# Altium PCB PCB_mcbHallV3.PcbDoc (continued)
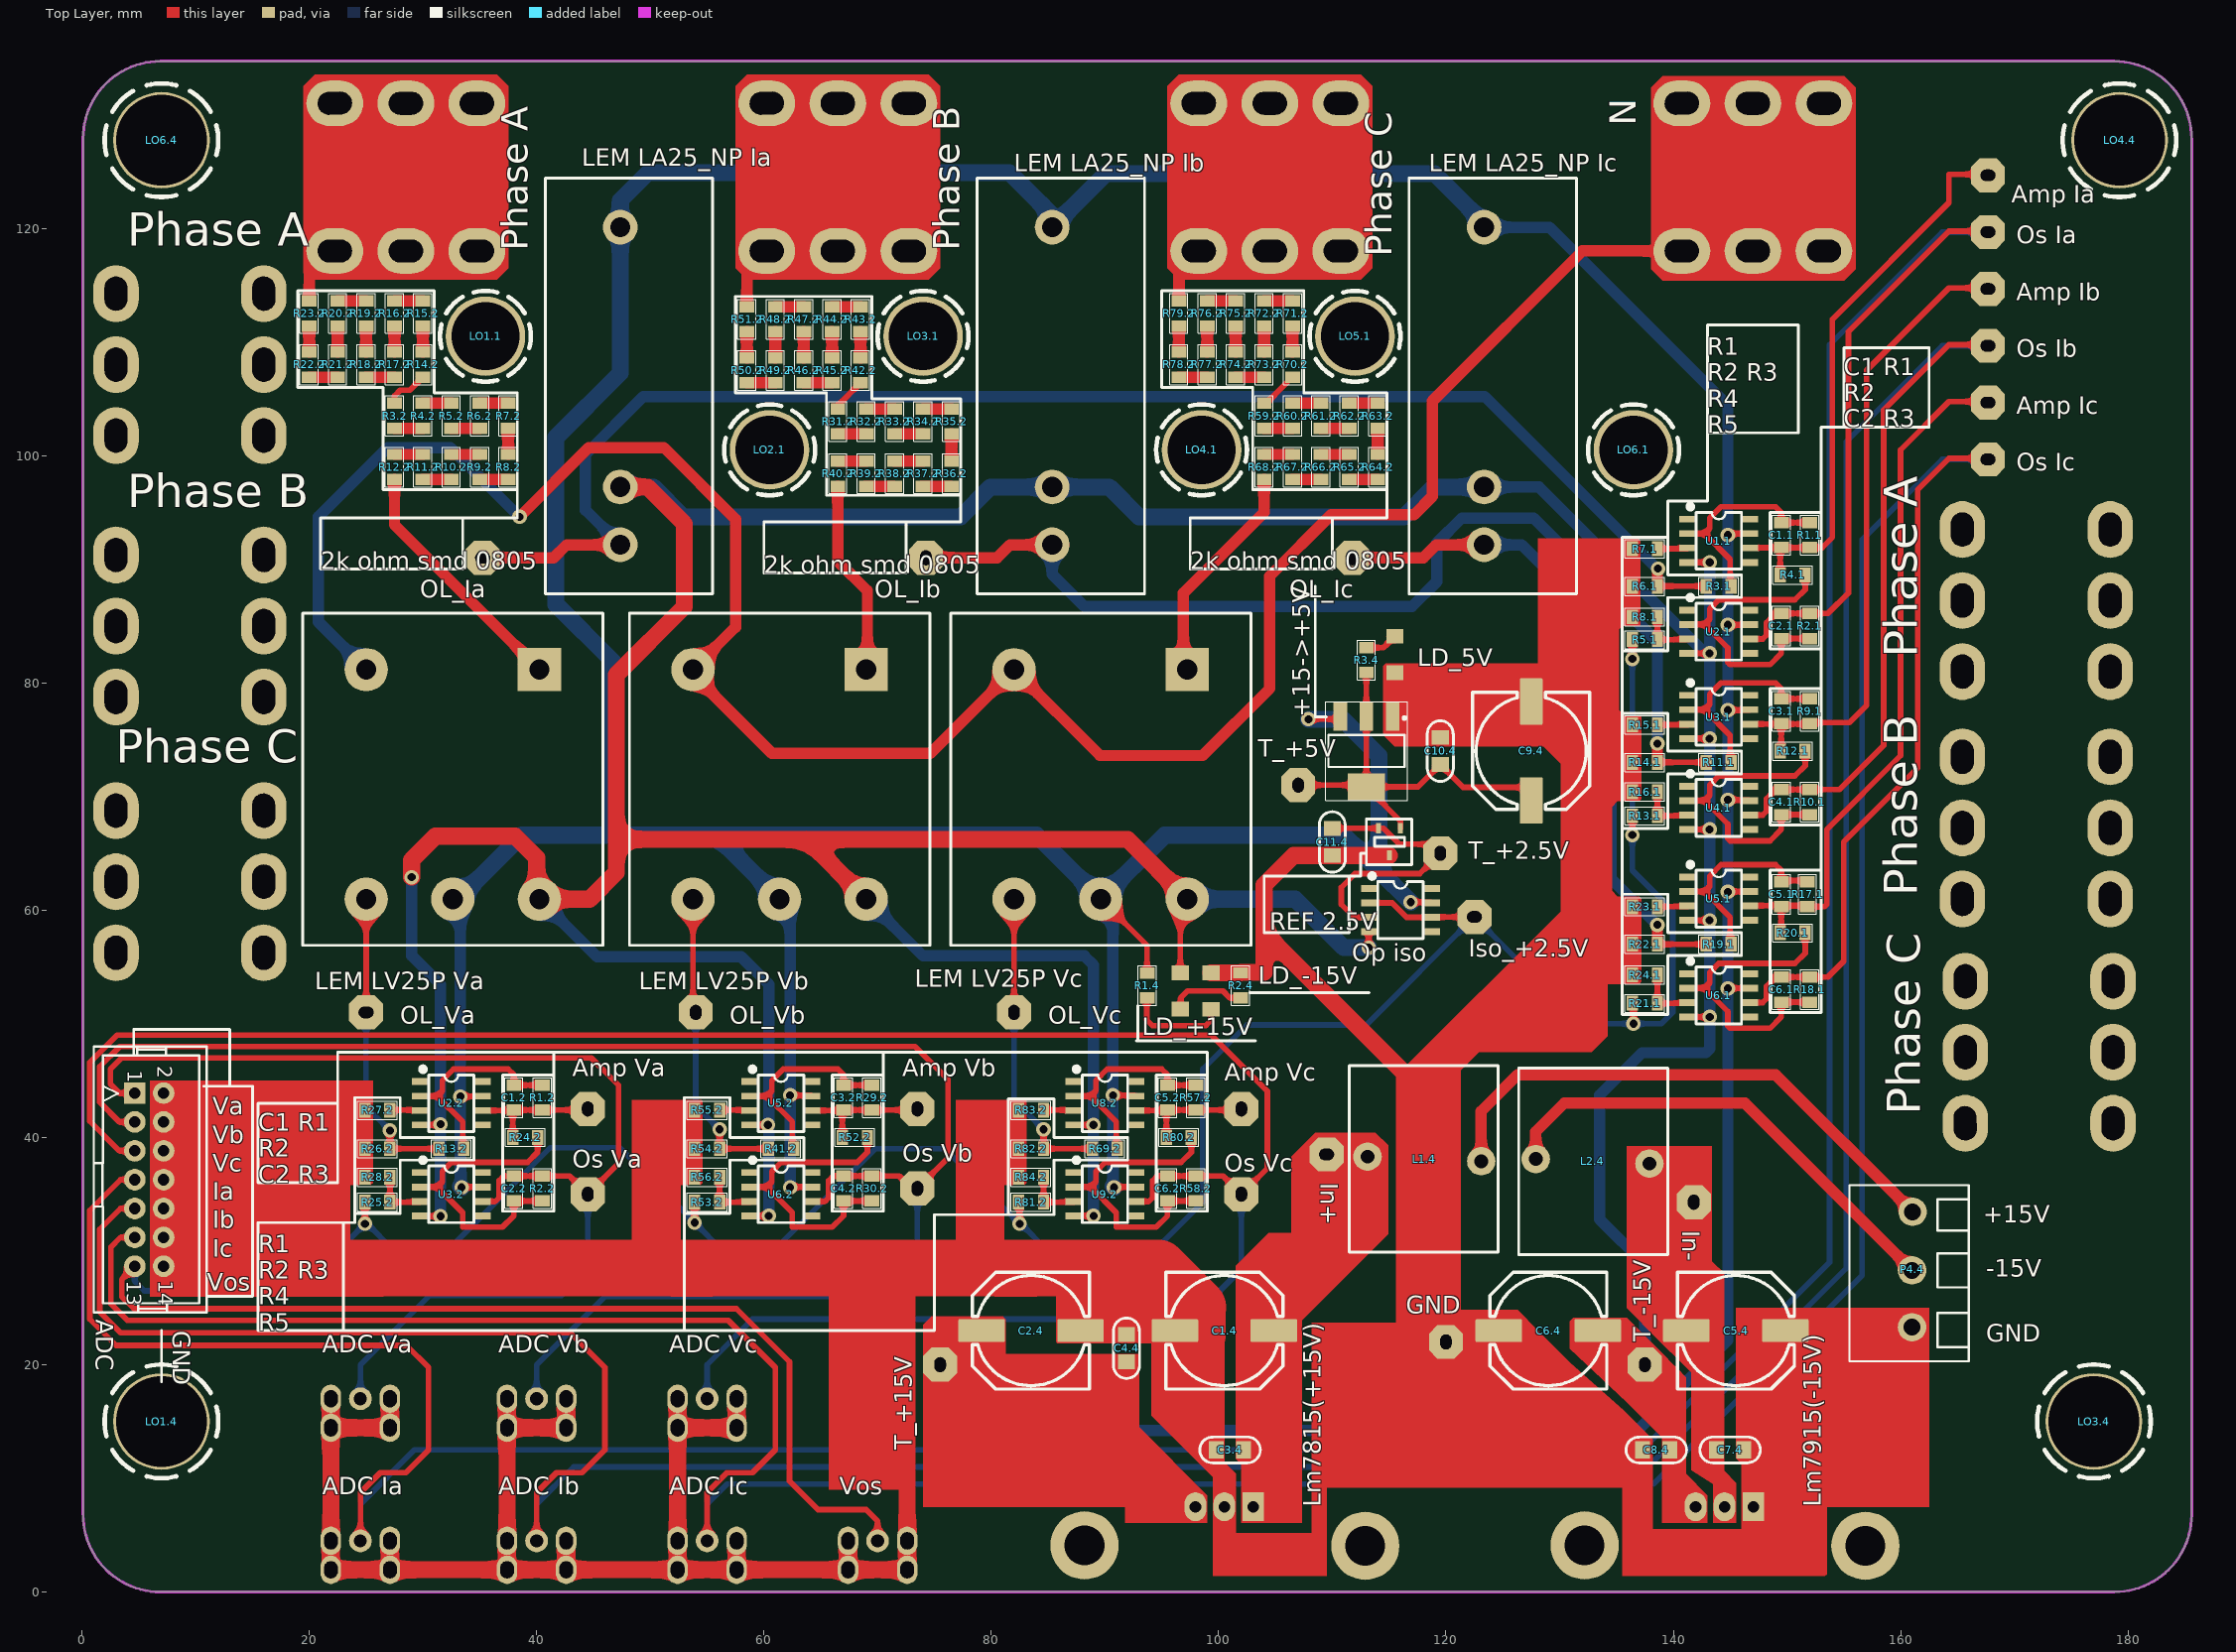
[diagram p0: Top Layer view]
## Footprints (in the part's own frame and the unit in brackets; to place one, negate y for a bottom-side part, rotate by r counter-clockwise, add the part's x,y. Pads: shape width x height; smd on the part's side, far side on the other; paste and mask are expansions set on the pad)
AMS1117 [mm]
  rect 2.5x1.2 smd: 1(-3.027,2.3) 2(-3.027,0) 3(-3.027,-2.3)
  rect 2.4x3.3 smd: 2(3.154,0)
  silkscreen extent -4.35,-3.6 4.35,3.6, body extent -3.39,-3.27 3.5,3.23, height 1.72
C-NP-0805 [mm] "Chip Capacitor; Non-polarized; Body 2.0 x 1.3 mm (LxW typ) [2012]"
  rect 1.3x1.5 smd: 1(-1.194,0) 2(1.194,0)
  silkscreen extent -2.67,-1.14 2.66,1.14, body extent -0.8,-0.43 0.8,0.43, height 0.79
CAP_SMD_L=10.5 [mm]
  rrect10% 4.1x2 smd mask+0.1: 1(-4.35,0) 2(4.35,0)
  silkscreen extent -5.15,-5.15 5.15,5.15, body extent -5.8,-5.15 5.8,5.15, height 10.2
CAPC0805 [mm] "Chip Capacitor, Body 2.0x1.3mm, IPC High Density"
  rect 1x1.3 smd: 1(-1.1,0) 2(1.1,0)
  silkscreen extent -1.75,-0.8 1.75,0.8, body extent -1.19,-0.72 1.21,0.74, height 0.65
domino_3p [mm]
  round 2.5 hole 1.5: 1(-5,0) 2(0,0) 3(5.15,-0.05)
  silkscreen extent -8,-5 7.5,5.5, body extent -8.17,-5 7.67,5.5, height 19.5
hd_2x7 [mm]
  rect 1.905x1.905 hole 1.016: 1(-7.9,-1.1)
  round 1.905 hole 1.016: 2(-7.9,1.44) 3(-5.36,-1.1) 4(-5.36,1.44) 5(-2.82,-1.1) 6(-2.82,1.44) 7(-0.28,-1.1) 8(-0.28,1.44) 9(2.26,-1.1) 10(2.26,1.44) 11(4.8,-1.1) 12(4.8,1.44) 13(7.34,-1.1) 14(7.34,1.44)
  silkscreen extent -12,-4.7 11.4,5.22, body extent -11.09,-4.4 10.49,4.97, height 9.27
induction_coil [mm]
  round 2.5 hole 1.2: 1(-5.1,0.1) 2(4.9,-0.3)
  silkscreen extent -6.6,-8.3 6.5,8.1, body extent -5.6,-8.08 5.4,7.88, height 18.62
"LEM LA25_P" [mil]
  round 120 hole 70: 1(-565,45) 2(-365,45) 3(535,45)
  silkscreen extent -735,-275 705,305, body extent -735,-269 702,299, height 1135
"LEN LV25_P" [mil]
  rect 150x150 hole 70: 1(-400,305)
  round 150 hole 70: 2(-400,-295) 3(395,-295) 4(395,5) 5(395,305)
  silkscreen extent -595,-515 555,525, body extent -545,-505 605,519, height 708
"Lo Khoang - 6mm" [mm] "SCREW mouting, M3.5, 3.5mm diameter and 7.0mm, FlatHead"
  round 7 / inner round 4 / far side round 5.6 hole 6 mask+0.1: 1(0,0)
  silkscreen extent -4,-4 4,4
RESC0805 [mm] "Chip Resistor, Body 2.0x1.3mm, IPC High Density"
  rect 1x1.3 smd: 1(-1.1,0) 2(1.1,0)
  silkscreen extent -1.75,-0.8 1.75,0.8, body extent -0.99,-0.62 1.01,0.63, height 0.45
SMA [mm]
  round 2 hole 1.15: 1(0,0)
  oval 1.8x2.5 hole 1.2 slot 1.5 at 90 deg: 2(-2.6,-2.55) 2(-2.6,0) 2(2.6,-2.55) 2(2.6,0)
  body extent -3.25,-3.2 3.25,3.3, height 10
"SMD 1206 RED" [mm]
  rect 1.3x1.5 smd: 1(-1.6,0) 2(1.6,0)
  body extent -1.61,-0.8 1.66,0.85, height 0.9
SOIC-8_dan [mm]
  rect 1.55x0.6 smd: 1(-2.7,1.905) 2(-2.7,0.635) 3(-2.7,-0.635) 4(-2.7,-1.905) 5(2.7,-1.905) 6(2.7,-0.635) 7(2.7,0.635) 8(2.7,1.905)
  silkscreen extent -2.8,-2.5 2,3.3, body extent -3,-2.45 3,2.45, height 1.7
SOT233 [mm]
  rect 0.44x0.9 smd: 1(0,0) 2(1.92,0) 3(0.96,2.37)
  silkscreen extent -0.36,0.79 2.29,1.6, body extent -0.49,-0.05 2.43,2.43, height 1.04
"SP PCB" [mm]
  round 8.5 / inner round 4 / far side round 5.6 hole 8 mask+0.1: 1(0,0)
  silkscreen extent -5,-5 5,5, body extent -15,-15 15,15
"Terminal M5" [mm]
  oval 5x4 hole 3 slot 2 at 90 deg: 1(-6.25,-6.5) 1(0,-6.5) 1(0,6.5) 1(6.25,-6.5) 1(6.25,6.5)
  oval 5x4 hole 3 slot 2 at 91.5 deg: 1(-6.25,6.5)
  body extent -7.25,-7.25 7.25,7.25, height 8.5
"TO 220 THermal 25x25" [mm]
  rect 1.905x2.54 hole 1.016: 1(-2.54,0)
  oval 1.905x2.54 hole 1.016: 2(0,0) 3(2.54,0)
  round 6 hole 3.5: 4(-12.4,3.44) 4(12.3,3.4)
  body extent -21,-9 21,16, height 27.28
Tp_black_1p [mm]
  oct 3x3 hole 1 slot 1.3 at 0 deg: 1(0,0)
  body extent -1.15,-1.15 1.15,1.15, height 5
Tp_blue_1p [mm]
  oct 3x3 hole 1 slot 1.3 at 0 deg: 1(0,0)
  body extent -1.15,-1.15 1.15,1.15, height 5
tp_red_1p [mm]
  oct 3x3 hole 1 slot 1.3 at 0 deg: 1(0,0)
  body extent -1.15,-1.15 1.15,1.15, height 5

## Part data
+15->+5V: "3.3V 800mA Low-Dropout Linear Regulator"
ADC: library part header_2x7pin
"ADC Ia" "ADC Ib" "ADC Ic" "ADC Va" "ADC Vb" "ADC Vc" Vos: library part "SMA 13,5"
C1.1 C1.2 C2.1 C2.2 C3.1 C3.2 C3.4 C4.1 C4.2 C4.4 C5.1 C5.2 C6.1 C6.2 C7.4 C8.4 C10.4 C11.4: library part capacitor_non_polar, "capacitor non polar"
C1.4 C2.4 C5.4 C6.4 C9.4: library part "capacitor_polar 6.3x11mm", "capacitor polar"
LD_5V LD_+15V LD_-15V: library part LED_LTST-C191KRKT, "LED RED CLEAR 0603 SMD"
"LEM LV25P Va" "LEM LV25P Vb" "LEM LV25P Vc": library part "LEM LV25_P"
Lm7815(+15V): "Regulator"
Lm7915(-15V): library part LM79LXX, "3-Terminal Negative Regulator"
"Op iso" U1.1 U2.1 U2.2 U3.1 U3.2 U4.1 U5.1 U5.2 U6.1 U6.2 U8.2 U9.2: library part "opamp 741"
R1.1 R1.2 R1.4 R2.1 R2.2 R2.4 R3.1 R3.2 R3.4 R4.1 R4.2 R5.1 R5.2 R6.1 R6.2 R7.1 R7.2 R8.1 R8.2 R9.1 R9.2 R10.1 R10.2 R11.1 R11.2 R12.1 R12.2 R13.1 R13.2 R14.1 R14.2 R15.1 R15.2 R16.1 R16.2 R17.1 R17.2 R18.1 R18.2 R19.1 R19.2 R20.1 R20.2 R21.1 R21.2 R22.1 R22.2 R23.1 R23.2 R24.1 R24.2 R25.2 R26.2 R27.2 R28.2 R29.2 R30.2 R31.2 R32.2 R33.2 R34.2 R35.2 R36.2 R37.2 R38.2 R39.2 R40.2 R41.2 R42.2 R43.2 R44.2 R45.2 R46.2 R47.2 R48.2 R49.2 R50.2 R51.2 R52.2 R53.2 R54.2 R55.2 R56.2 R57.2 R58.2 R59.2 R60.2 R61.2 R62.2 R63.2 R64.2 R65.2 R66.2 R67.2 R68.2 R69.2 R70.2 R71.2 R72.2 R73.2 R74.2 R75.2 R76.2 R77.2 R78.2 R79.2 R80.2 R81.2 R82.2 R83.2 R84.2: library part resistor, "resistor"
"REF 2.5V": library part MCP1541T

## Via types
v1: diameter 1.27, hole 0.711, Top Layer to Bottom Layer, 41 vias

## Nets (pads, with @x,y where several pads share a name; then routed paths per layer and width w, separated by ;. In a path a pad name is that pad's centre, name@x,y a point inside that pad or via, vN(x,y) a via of type N, cw(c..) or ccw(c..) an arc to the next point about the centre after c; other vN are vias at no path point)
+5V: "REF 2.5V.1" +15->+5V.2 C9.4.1 C10.4.1 R3.4.2 T_+5V.1 | length 38.1
  Top Layer w0.5: T_+5V.1 112.846,71 +15->+5V.2@113,70.846 ; R3.4.2 113,77.027 +15->+5V.2@113,70.846 ; 116,67.2 116,67.846 +15->+5V.2@113,70.846 ; C9.4.1 127.5,70.5 127.2,70.8 121.506,70.8 C10.4.1 117.54,70.846 +15->+5V.2@113,70.846
+15V: "LEM LA25_NP Ia.3" "LEM LA25_NP Ib.3" "LEM LA25_NP Ic.3" "LEM LV25P Va.4" "LEM LV25P Vb.4" "LEM LV25P Vc.4" "Op iso.7" +15->+5V.3 C2.4.1 C4.4.1 Lm7815(+15V).3 R1.4.2 T_+15V.1 U1.1.7 U2.1.7 U2.2.7 U3.1.7 U3.2.7 U4.1.7 U5.1.7 U5.2.7 U6.1.7 U6.2.7 U8.2.7 U9.2.7 | length 563.2
  Top Layer w0.5: v1(33.3,43.6) 35.165,43.6 U2.2.7 ; v1(33.4,35.6) 33.435,35.635 U3.2.7 ; v1(62.3,35.6) 62.335,35.635 U6.2.7 ; v1(62.3,43.7) 64.135,43.7 U5.2.7 ; 89.627,60.967 93.71,56.884 R1.4.2 ; v1(90.7,43.7) 92.635,43.7 U8.2.7 ; v1(90.8,35.6) 90.835,35.635 U9.2.7 ; v1(107.9,76.8) 110.473,76.8 +15->+5V.3 ; v1(116.9,60.7) 118.635,60.7 118.7,60.635 ; v1(144.8,53.1) 144.835,53.135 U6.1.7 ; v1(144.8,61.6) 144.835,61.635 U5.1.7 ; v1(144.8,69.7) 146.635,69.7 U4.1.7 ; v1(144.8,77.6) 146.665,77.6 U3.1.7 ; v1(144.8,85.1) 146.665,85.1 U2.1.7 ; v1(144.8,93) 144.935,93.135 U1.1.7
  Bottom Layer w1: v1@33.3,35.7 v1(33.3,43.6) 33.3,60.294 ; v1(62.3,35.6) v1(62.3,43.7) 62.3,60.044 ; T_+15V.1 75.5,16.5 77.8,14.2 136.85,14.2 144.8,22.15 v1(144.8,53.1) v1(144.8,61.6) v1(144.8,69.7) v1(144.8,77.6) v1(144.8,85.1) v1(144.8,93) 144.8,104.4 129.111,120.089 123.357,120.089 ; v1@90.7,35.7 v1(90.7,43.7) 90.7,59.894
  Bottom Layer w1.5: 32.627,60.967 33.3,60.294 ; 33.227,61.067 33.221,61.096 38.725,66.6 46.6,66.6 ; v1@33.3,35.7 v1(33.4,35.6) ; 62.3,60.044 61.377,60.967 55.744,66.6 ; v1@90.7,35.7 v1(90.8,35.6) ; 90.7,59.894 89.627,60.967 ; v1(107.9,76.8) 110.9,76.8 114.1,73.6 114.1,63.5 ; v1(116.9,60.7) 114.1,63.5 ; 123.357,120.089 123.357,120.443 119,124.8 90.068,124.8 85.357,120.089 85.357,121.143 81.6,124.9 49.8,124.9 47.357,122.457 47.357,120.089 47.357,107.257 41.7,101.6 41.7,86.9 46.7,81.9 46.7,66.7 46.6,66.6 ; 46.6,66.6 55.744,66.6 ; 55.744,66.6 83.994,66.6 89.627,60.967 ; 89.627,60.967 95.26,66.6 111,66.6 114.1,63.5
-15V: "LEM LA25_NP Ia.2" "LEM LA25_NP Ib.2" "LEM LA25_NP Ic.2" "LEM LV25P Va.5" "LEM LV25P Vb.5" "LEM LV25P Vc.5" "Op iso.4" C6.4.2 C8.4.1 LD_+15V.2 Lm7915(-15V).3 T_-15V.1 U1.1.4 U2.1.4 U2.2.4 U3.1.4 U3.2.4 U4.1.4 U5.1.4 U5.2.4 U6.1.4 U6.2.4 U8.2.4 U9.2.4 | length 477.8
  Top Layer w0.5: U3.2.4 29.825,33.07 v1(31.55,33.07) ; U2.2.4 31.495,41.095 v1(31.55,41.15) ; U6.2.4 v1(60.425,33.095) ; U5.2.4 v1(60.355,41.095) ; U9.2.4 v1(88.995,33.095) ; U8.2.4 v1(88.99,41.095) ; LD_+15V.2 96.62,60.34 97.247,60.967 ; v1(113.2,56.7) 113.2,57.995 113.3,58.095 ; U6.1.4 143.195,50.595 v1(143.2,50.6) ; U5.1.4 v1(143.195,59.095) ; U4.1.4 v1(143.195,67.095) ; U3.1.4 v1(143.195,75.095) ; U2.1.4 v1(143.195,82.595) ; U1.1.4 141.305,90.6 v1(143.2,90.6)
  Top Layer w1.5: v1(29,62.9) 29,64.4 31.1,66.5 38.1,66.5 40,64.6 40,61.214 40.247,60.967 44.667,60.967 47,63.3 47,66.22 ; 47.357,97.229 49.771,97.229 53,94 53,86.7 47,80.7 47,66.22 ; 68.997,60.967 63.744,66.22 ; 97.247,60.967 91.994,66.22 63.744,66.22 ; 47,66.22 63.744,66.22
  Bottom Layer w0.5: v1(143.195,59.095) v1@143.2,59.1 ; v1(143.195,67.095) v1@143.2,67.1 ; v1(143.195,75.095) v1@143.2,75.1 ; v1(143.195,82.595) v1@143.2,82.59
  Bottom Layer w1: v1(29,62.9) 29,56 31.55,53.45 v1(31.55,41.15) v1(31.55,33.07) ; 40.247,60.967 45.314,55.9 58,55.9 60.45,53.45 v1@60.45,33.095 ; 68.93,61.034 68.997,60.967 73.997,55.967 88.183,55.967 89,55.15 88.995,55.145 v1@88.995,41.1 ; v1(88.99,41.095) v1@88.995,41.1 ; v1(88.995,33.095) v1@88.995,41.1 ; 123.357,97.229 128.171,97.229 143.2,82.2 143.2,75.1 143.2,67.1 143.2,59.1 v1(143.2,50.6) 143.2,47.8 142.85,47.45 137.25,47.45 133.5,43.7 133.5,32.8 137.5,28.8 T_-15V.1 ; v1@143.2,82.59 v1(143.2,90.6)
  Bottom Layer w1.5: 47.357,97.229 50.271,97.229 52.9,94.6 77.3,94.6 79.929,97.229 85.357,97.229 90.371,97.229 93,94.6 116.3,94.6 118.929,97.229 123.357,97.229 ; 97.247,60.967 106.733,60.967 111,56.7 v1(113.2,56.7)
GND: "ADC Ia.2" "ADC Ib.2" "ADC Ic.2" "ADC Va.2" "ADC Vb.2" "ADC Vc.2" "REF 2.5V.3" +15->+5V.1 ADC.2 ADC.4 ADC.6 ADC.8 ADC.10 ADC.12 ADC.14 C1.4.2 C2.4.2 C3.4.2 C4.4.2 C5.4.1 C6.4.1 C7.4.2 C8.4.2 C9.4.2 C10.4.2 C11.4.1 GND.1 LD_5V.2 LD_-15V.2 Lm7815(+15V).2 Lm7915(-15V).1 P4.4.1 R2.4.1 R6.1.1 R7.1.1 R8.1.1 R14.1.1 R15.1.1 R16.1.1 R22.1.1 R23.1.1 R24.1.1 R26.2.1 R27.2.1 R28.2.1 R54.2.1 R55.2.1 R56.2.1 R82.2.1 R83.2.1 R84.2.1 Vos.2 | length 262.4
  Top Layer w1.5: 21.9,17 21.9,14.45 ; 27.1,4.5 27.1,1.95 ; 27.1,17 27.1,14.45 21.9,14.45 ; 37.4,17 37.4,14.45 ; 42.6,4.5 42.6,1.95 ; 42.6,17 42.6,14.45 37.4,14.45 ; 52.4,17 52.4,14.45 ; 57.6,4.5 57.6,1.95 ; 57.6,17 57.6,14.45 52.4,14.45 ; Vos.2@67.4,4.5 Vos.2@67.4,1.95 ; 72.6,9.1 72.6,4.5 72.6,1.95 Vos.2@67.4,1.95 ; LD_-15V.2 99.34,54.48 R2.4.1 101.97,54.51 103.98,54.51 104,54.53 104,58 ; 115.006,64.796 114.997,64.806 C11.4.1 106.606,64.806 104,62.2 104,58 ; 119,44.9 117.1,44.9 104,58 ; 21.9,14.45 21.9,4.5 21.9,1.95 27.1,1.95 ; 27.1,1.95 37.4,1.95 ; 37.4,1.95 42.6,1.95 ; 37.4,1.95 37.4,4.5 37.4,14.45 ; 42.6,1.95 52.4,1.95 ; 52.4,1.95 52.4,4.5 52.4,14.45 ; 52.4,1.95 57.6,1.95 ; 57.6,1.95 Vos.2@67.4,1.95
  Top Layer w5: 21,28.5 94.7,28.5 98.175,25.025 98.1,24.95 C1.4.2@98.1,22.6
N: "LEM LV25P Va.2" "LEM LV25P Vb.2" "LEM LV25P Vc.2" N.1 | length 202.4
  Top Layer w1: v1(38.5,94.6) 44.6,100.7 51.2,100.7 57.5,94.4 57.5,84.903 53.757,81.16 53.757,80.743 60.7,73.8 74.647,73.8 82.007,81.16 89.567,73.6 98.6,73.6 104.5,79.5 104.5,89.4 109.9,94.8 117.2,94.8 118.8,96.4 118.8,104.8 132,118 N.1@140.75,118
  Bottom Layer w1: 25.007,81.16 20.8,85.367 20.8,94.6 26.9,100.7 32.4,100.7 v1(38.5,94.6)
NetC1.1_1: C1.1.1 R1.1.2 R3.1.1 U1.1.2 | length 18.8
  Top Layer w0.5: U1.1.2 142.735,93.135 ; R3.1.1@145,88.6 145,90.87 142.735,93.135 ; R1.1.2 C1.1.1 149.5,95 149,95.5 144.2,95.5 143.2,94.5 143.2,93.6 142.735,93.135
NetC1.1_2: "Amp Ia.1" C1.1.2 R1.1.1 R4.1.2 U1.1.6 | length 49.5
  Top Layer w0.5: U1.1.6 146.735,91.9 R1.1.1 153.1,91.9 154,92.8 154,112 164.25,122.25 164.25,124.75 167.59,124.75 ; R4.1.2 C1.1.2@149.4,91.8
NetC1.2_1: C1.2.1 R1.2.2 R13.2.1 U2.2.2 | length 18.9
  Top Layer w0.5: U2.2.2 31.235,43.635 ; R13.2.1 33.5,39.1 33.5,41.37 31.235,43.635 ; R1.2.2 C1.2.1 38,45.5 37.5,46 32.7,46 31.7,45 31.7,44.1 31.235,43.635
NetC1.2_2: "Amp Va.1" C1.2.2 R1.2.1 R24.2.2 U2.2.6 | length 11.6
  Top Layer w0.5: U2.2.6 37.835,42.365 37.9,42.3 R24.2.2 ; C1.2.2 R1.2.1 44.4,42.4 44.5,42.5
NetC1.4_1: C1.4.1 C3.4.1 In+.1 L1.4.2 Lm7815(+15V).1 | length 0.4
  Top Layer w1: C1.4.1 C1.4.1@104.9,23.05 ; In+.1 In+.1@109.7,38.3
NetC2.1_1: C2.1.1 R2.1.2 R4.1.1 U2.1.2 | length 27
  Top Layer w0.5: U2.1.2 142.735,85.135 ; R4.1.1 151.6,88.2 150.7,87.3 144,87.3 143.2,86.5 143.2,85.6 142.735,85.135 ; R2.1.2@152.4,83.9 C2.1.1 149.5,82.6 148.5,81.6 145,81.6 144.8,81.8 144.8,83.07 142.735,85.135
NetC2.1_2: "ADC Ia.1" "Os Ia.1" ADC.7 C2.1.2 R2.1.1 U2.1.6 | length 355.2
  Top Layer w0.5: ADC.7 3.4,36.28 0.687,33.567 0.687,24.013 3,21.7 28.55,21.7 30.5,19.75 30.5,12.5 28.5,10.5 26.25,10.5 24.5,8.75 24.5,4.5 ; U2.1.6 147.865,83.865 148.2,84.2 148.2,85.3 149,86.1 C2.1.2 153.6,86.1 155.4,87.9 155.4,110.9 164.25,119.75 167.59,119.75
  Bottom Layer w0.5: 24.5,4.5 24.5,7.75 29.25,12.5 137.25,12.5 153.75,29 153.75,109.75 163.66,119.66 167.68,119.66
NetC2.2_1: C2.2.1 R2.2.2 R24.2.1 U3.2.2 | length 27
  Top Layer w0.5: U3.2.2 31.235,35.635 ; R24.2.1 40.1,38.7 39.2,37.8 32.5,37.8 31.7,37 31.7,36.1 31.235,35.635 ; R2.2.2@40.9,34.4 R2.2.2 C2.2.1 38,33.1 37,32.1 33.5,32.1 33.5,33.37 31.235,35.635
NetC2.2_2: "ADC Va.1" "Os Va.1" ADC.1 C2.2.2 R2.2.1 U3.2.6 | length 105.5
  Top Layer w0.5: ADC.1 3.3,43.9 2.5,44.7 2.5,46 3.5,47 44.8,47 47.2,44.6 47.2,37.7 44.5,35 42.9,36.6 R2.2.1 C2.2.2 37.1,36.6 36.7,36.2 36.7,34.7 36.365,34.365 U3.2.6
  Bottom Layer w0.5: 24.5,17 24.5,20 30.6,26.1 42.2,26.1 44.5,28.4 44.5,35
NetC3.1_1: C3.1.1 R9.1.2 R11.1.1 U3.1.2 | length 18.8
  Top Layer w0.5: U3.1.2 142.735,77.635 ; R11.1.1@145,73.1 145,75.37 142.735,77.635 ; R9.1.2 C3.1.1 149.5,79.5 149,80 144.2,80 143.2,79 143.2,78.1 142.735,77.635
NetC3.1_2: "Amp Ib.1" C3.1.2 R9.1.1 R12.1.2 U3.1.6 | length 56.3
  Top Layer w0.5: U3.1.6 C3.1.2@149.5,76.365 ; R12.1.2@149.5,74.1 C3.1.2@149.5,76.365 ; C3.1.2 C3.1.2@149.5,76.365 ; R9.1.1@151.965,76.365 C3.1.2@149.5,76.365 ; R9.1.1 152.1,76.5 155.5,76.5 157,78 157,107.5 164.25,114.75 167.59,114.75
NetC3.2_1: C3.2.1 R29.2.2 R41.2.1 U5.2.2 | length 18.9
  Top Layer w0.5: U5.2.2 60.235,43.635 ; R41.2.1 62.5,39.1 62.5,41.37 60.235,43.635 ; R29.2.2 C3.2.1 67,45.5 66.5,46 61.7,46 60.7,45 60.7,44.1 60.235,43.635
NetC3.2_2: "Amp Vb.1" C3.2.2 R29.2.1 R52.2.2 U5.2.6 | length 11.7
  Top Layer w0.5: U5.2.6 66.965,42.365 C3.2.2 R29.2.1 73.4,42.4 73.5,42.5 ; R52.2.2 C3.2.2@66.9,42.3
NetC4.1_1: C4.1.1 R10.1.2 R12.1.1 U4.1.2 | length 27
  Top Layer w0.5: U4.1.2 142.735,69.635 ; R12.1.1 151.6,72.7 150.7,71.8 144,71.8 143.2,71 143.2,70.1 142.735,69.635 ; R10.1.2@152.4,68.4 C4.1.1 149.5,67.1 148.5,66.1 145,66.1 144.8,66.3 144.8,67.57 142.735,69.635
NetC4.1_2: "ADC Ib.1" "Os Ib.1" ADC.9 C4.1.2 R10.1.1 U4.1.6 | length 348.2
  Top Layer w0.5: ADC.9 3.4,33.74 1.56,31.9 1.56,24.64 3.4,22.8 42.95,22.8 46,19.75 46,12.5 44,10.5 41.75,10.5 40,8.75 40,4.5 ; U4.1.6 147.865,68.365 148.2,68.7 148.2,69.8 149,70.6 R10.1.1@151.9,70.6 ; R10.1.1 154.6,70.6 158.5,74.5 158.5,104 164.25,109.75 167.59,109.75
  Bottom Layer w0.5: 40,4.5 40,7.75 43.25,11 137.75,11 155.2,28.45 155.2,101.2 163.66,109.66 167.68,109.66
NetC4.2_1: C4.2.1 R30.2.2 R52.2.1 U6.2.2 | length 27
  Top Layer w0.5: U6.2.2 60.235,35.635 ; R52.2.1 69.1,38.7 68.2,37.8 61.5,37.8 60.7,37 60.7,36.1 60.235,35.635 ; R30.2.2@69.9,34.4 R30.2.2 C4.2.1 67,33.1 66,32.1 62.5,32.1 62.5,33.37 60.235,35.635
NetC4.2_2: "ADC Vb.1" "Os Vb.1" ADC.3 C4.2.2 R30.2.1 U6.2.6 | length 152.8
  Top Layer w0.5: ADC.3 3.3,41.36 1.56,43.1 1.56,46.22 3.34,48 73.3,48 76.2,45.1 76.2,38.2 73.5,35.5 ; U6.2.6 65.365,34.365 65.7,34.7 65.7,36.2 66.1,36.6 R30.2.1 71.9,36.6 73.5,35
  Bottom Layer w0.5: 40,17 40,20 46,26 70.6,26 73.5,28.9 73.5,35.5
NetC5.1_1: C5.1.1 R17.1.2 R19.1.1 U5.1.2 | length 18.8
  Top Layer w0.5: U5.1.2 142.735,61.635 ; R19.1.1@145,57.1 145,59.37 142.735,61.635 ; R17.1.2@152,62.6 149.5,62.6 149.5,63.5 149,64 144.2,64 143.2,63 143.2,62.1 142.735,61.635
NetC5.1_2: "Amp Ic.1" C5.1.2 R17.1.1 R20.1.2 U5.1.6 | length 61.4
  Top Layer w0.5: U5.1.6@146.7,60.4 C5.1.2@149.5,60.4 ; R20.1.2@149.5,58.135 C5.1.2@149.5,60.4 ; C5.1.2@149.5,60.435 C5.1.2@149.5,60.4 ; R17.1.1 153.3,60.3 153.5,60.5 153.5,67.1 160,73.6 160,100.5 164.25,104.75 167.59,104.75 ; R17.1.1@151.965,60.4 C5.1.2@149.5,60.4
NetC5.2_1: C5.2.1 R57.2.2 R69.2.1 U8.2.2 | length 18.9
  Top Layer w0.5: U8.2.2 88.735,43.635 ; R69.2.1 91,39.1 91,41.37 88.735,43.635 ; R57.2.2 C5.2.1 95.5,45.5 95,46 90.2,46 89.2,45 89.2,44.1 88.735,43.635
NetC5.2_2: "Amp Vc.1" C5.2.2 R57.2.1 R80.2.2 U8.2.6 | length 11.6
  Top Layer w0.5: U8.2.6 95.335,42.365 95.4,42.3 R80.2.2 ; C5.2.2 R57.2.1 101.9,42.4 102,42.5
NetC5.4_2: C5.4.2 C7.4.1 In-.1 L2.4.2 Lm7915(-15V).2
NetC6.1_1: C6.1.1 R18.1.2 R20.1.1 U6.1.2 | length 27
  Top Layer w0.5: U6.1.2 142.735,53.135 ; R20.1.1@151.6,57.5 151.6,56.2 150.7,55.3 144,55.3 143.2,54.5 143.2,53.6 142.735,53.135 ; R18.1.2@152.4,51.9 C6.1.1 149.5,50.6 148.5,49.6 145,49.6 144.8,49.8 144.8,51.07 142.735,53.135
NetC6.1_2: "ADC Ic.1" "Os Ic.1" ADC.11 C6.1.2 R18.1.1 U6.1.6 | length 341.3
  Top Layer w0.5: ADC.11 3.4,31.2 2.56,30.36 2.56,25.34 4,23.9 56.85,23.9 61,19.75 61,12.5 59,10.5 56.75,10.5 55,8.75 55,4.5 ; U6.1.6 147.865,51.865 148.2,52.2 148.2,53.3 149,54.1 R18.1.1@151.9,54.1 ; R18.1.1 153.6,54.1 155,55.5 155,66 161.5,72.5 161.5,97 164.25,99.75 167.59,99.75 167.68,99.66
  Bottom Layer w0.5: 55,4.5 55,7.75 56.75,9.5 138.25,9.5 156.6,27.85 156.6,92.6 163.66,99.66 167.68,99.66 167.84,99.5
NetC6.2_1: C6.2.1 R58.2.2 R80.2.1 U9.2.2 | length 27
  Top Layer w0.5: U9.2.2 88.735,35.635 ; R80.2.1 97.6,38.7 96.7,37.8 90,37.8 89.2,37 89.2,36.1 88.735,35.635 ; R58.2.2@98.4,34.4 R58.2.2 C6.2.1 95.5,33.1 94.5,32.1 91,32.1 91,33.37 88.735,35.635
NetC6.2_2: "ADC Vc.1" "Os Vc.1" ADC.5 C6.2.2 R58.2.1 U9.2.6 | length 198.7
  Top Layer w0.5: ADC.5 3.3,38.82 0.7,41.42 0.7,46.6 3.1,49 99.35,49 104.28,44.07 104.28,37.28 102,35 100.4,36.6 R58.2.1 C6.2.2 94.6,36.6 94.2,36.2 94.2,34.7 93.865,34.365 U9.2.6
  Bottom Layer w0.5: 55,17 55,20 59,24 97.6,24 102,28.4 102,35
NetC11.4_2: "Op iso.3" "REF 2.5V.2" C11.4.2 T_+2.5V.1 | length 24.8
  Top Layer w0.5: C11.4.2 114.074,67.194 ; 113.3,59.365 111.935,59.365 110.8,60.5 110.8,62 112,63.2 117.7,63.2 T_+2.5V.1 118.7,65.8 115.9,65.8 114.5,67.2 114.08,67.2
NetL1.4_1: L1.4.1 P4.4.3 | length 48.7
  Top Layer w1: L1.4.1 123.1,42.3 126.3,45.5 149,45.5 P4.4.3
NetL2.4_1: L2.4.1 P4.4.2 | length 42.6
  Top Layer w1: L2.4.1 127.9,40.5 130.4,43 146.3,43 P4.4.2
NetLD1.4_1: LD_5V.1 R3.4.1 | length 2.9
  Top Layer w0.5: R3.4.1 114.5,83.1 LD_5V.1
NetLD2.4_1: LD_+15V.1 R2.4.2 | length 6.8
  Top Layer w0.5: LD_+15V.1 96.66,51.33 96.66,52.28 97.26,52.88 100.38,52.88 100.98,52.28 R2.4.2
NetLD3.4_1: LD_-15V.1 R1.4.1 | length 9
  Top Layer w0.5: R1.4.1 93.68,52.23 93.68,50.33 94.17,49.84 98.88,49.84 99.33,50.29 LD_-15V.1
NetP1.2_1: "LEM LV25P Va.3" OL_Va.1 R13.2.2 R26.2.2 | length 27.1
  Top Layer w0.5: OL_Va.1 25.007,51.007 25.007,60.967 ; v1(27.1,40.6) R26.2.2 R13.2.2
  Bottom Layer w0.5: OL_Va.1 25,42.7 v1(27.1,40.6)
NetP2.3_13: "Op iso.2" "Op iso.6" ADC.13 Iso_+2.5V.1 R5.1.2 R13.1.2 R21.1.2 R25.2.2 R53.2.2 R81.2.2 Vos.1 | length 318.1
  Top Layer w0.5: ADC.13 3.5,27.51 3.5,26 4.571,24.929 57.571,24.929 62.25,20.25 62.25,9.75 64.75,7.25 69,7.25 70,6.25 Vos.1 ; v1(24.9,32.4) 24.9,34.1 25,34.2 R25.2.2 ; v1(53.9,32.5) R53.2.2 ; R81.2.2 82.5,34.2 v1(82.5,32.4) ; 113.3,60.635 115.265,60.635 116.535,59.365 118.7,59.365 118.735,59.4 Iso_+2.5V.1 ; R21.1.2 136.5,51.7 v1(136.5,50) ; v1(136.4,66.6) R13.1.2 ; v1(136.4,82.1) R5.1.2
  Bottom Layer w0.5: ADC.13 4.65,27.35 5.5,26.5 19,26.5 v1@25,32.5 ; v1(24.9,32.4) v1@25,32.5 ; v1(136.4,82.1) v1(136.4,66.6) 136.4,63.5 139.95,59.95 139.95,51 138.95,50 v1(136.5,50) 131.9,50 Iso_+2.5V.1 113,49.9 102.5,49.9 98.6,46 98.6,34.3 94.3,30 85,30 82.5,32.5 v1(82.5,32.4) 75.9,39 69.8,39 60.8,30 56.4,30 v1(53.9,32.5) 47.3,39.1 41.2,39.1 32.1,30 27.5,30 v1@25,32.5
NetP5.1_1: "LEM LA25_NP Ia.1" OL_Ia.1 R3.1.2 R6.1.2 | length 130.4
  Top Layer w0.5: R6.1.2 R3.1.2
  Top Layer w1: OL_Ia.1 41.5,91 42.649,92.149 47.357,92.149 ; R6.1.2 138.6,90 v1(138.65,90.05)
  Bottom Layer w1: 47.357,92.149 44.3,95.206 44.3,100.1 49.4,105.2 123.4,105.2 138.55,90.05 v1(138.65,90.05)
NetP5.2_1: "LEM LV25P Vb.3" OL_Vb.1 R41.2.2 R54.2.2 | length 27.2
  Top Layer w0.5: 53.757,60.967 53.757,51.243 OL_Vb.1 ; v1(56.1,40.7) R54.2.2 R41.2.2
  Bottom Layer w0.5: OL_Vb.1 54,42.8 v1(56.1,40.7)
NetP9.2_1: "LEM LV25P Vc.3" OL_Vc.1 R69.2.2 R82.2.2 | length 27.3
  Top Layer w0.5: OL_Vc.1 82.007,51.007 82.007,60.967 ; v1(84.6,40.7) R82.2.2 R69.2.2
  Bottom Layer w0.5: OL_Vc.1 82,43.3 v1(84.6,40.7)
NetP10.1_1: "LEM LA25_NP Ib.1" OL_Ib.1 R11.1.2 R14.1.2 | length 94.3
  Top Layer w0.5: R14.1.2 R11.1.2
  Top Layer w1: OL_Ib.1 80.5,91 81.649,92.149 86.357,92.149 ; R14.1.2@138.6,72.95 v1(138.6,74.65)
  Bottom Layer w1: 85.357,92.149 85.357,89.543 88.2,86.7 117,86.7 119.2,88.9 119.2,92.3 121.4,94.5 127.7,94.5 138.5,83.7 138.6,83.6 v1(138.6,74.65)
NetP14.1_1: "LEM LA25_NP Ic.1" OL_Ic.1 R19.1.2 R22.1.2 | length 60.3
  Top Layer w0.5: R22.1.2 R19.1.2
  Top Layer w1: OL_Ic.1 118,91 119.149,92.149 123.857,92.149 ; R22.1.2 v1(138.6,58.7)
  Bottom Layer w1: 123.357,92.149 126.651,92.149 134.5,84.3 134.5,62.8 v1(138.6,58.7)
NetR3.2_1: R3.2.1 R14.2.1 | length 3.8
  Top Layer w0.5: R3.2.1 27.5,105.25 28,105.75 28.85,105.75 R14.2.1
NetR3.2_2: R3.2.2 R4.2.2 | length 2.5
  Top Layer w1: R3.2.2 R4.2.2
NetR4.2_1: R4.2.1 R5.2.1 | length 2.5
  Top Layer w1: R4.2.1 R5.2.1
NetR5.1_1: R5.1.1 R8.1.2 U2.1.3 | length 4.7
  Top Layer w0.5: R8.1.2 R5.1.1 141.235,83.8 U2.1.3
NetR5.2_2: R5.2.2 R6.2.2 | length 2.5
  Top Layer w1: R5.2.2 R6.2.2
NetR6.2_1: R6.2.1 R7.2.1 | length 2.5
  Top Layer w1: R6.2.1 R7.2.1
NetR7.1_2: R7.1.2 U1.1.3 | length 2.7
  Top Layer w0.5: R7.1.2 141.235,91.8 U1.1.3
NetR7.2_2: R7.2.2 R8.2.2 | length 2.3
  Top Layer w1: R8.2.2 R7.2.2
NetR8.2_1: R8.2.1 R9.2.1 | length 2.5
  Top Layer w1: R9.2.1 R8.2.1
NetR9.2_2: R9.2.2 R10.2.2 | length 2.5
  Top Layer w1: R10.2.2 R9.2.2
NetR10.2_1: R10.2.1 R11.2.1 | length 2.5
  Top Layer w1: R11.2.1 R10.2.1
NetR11.2_2: R11.2.2 R12.2.2 | length 2.5
  Top Layer w1: R12.2.2 R11.2.2
NetR12.2_1: "LEM LV25P Va.1" R12.2.1 | length 22
  Top Layer w1: R12.2.1 27.5,93.907 40.247,81.16
NetR13.1_1: R13.1.1 R16.1.2 U4.1.3 | length 4.8
  Top Layer w0.5: R16.1.2 R13.1.1 141.235,68.3 U4.1.3
NetR14.2_2: R14.2.2 R15.2.2 | length 2.3
  Top Layer w1: R14.2.2 R15.2.2
NetR15.1_2: R15.1.2 U3.1.3 | length 2.6
  Top Layer w0.5: R15.1.2 U3.1.3@141.235,76.3
NetR15.2_1: R15.2.1 R16.2.1 | length 2.5
  Top Layer w1: R16.2.1 R15.2.1
NetR16.2_2: R16.2.2 R17.2.2 | length 2.3
  Top Layer w1: R17.2.2 R16.2.2
NetR17.2_1: R17.2.1 R18.2.1 | length 2.5
  Top Layer w1: R18.2.1 R17.2.1
NetR18.2_2: R18.2.2 R19.2.2 | length 2.3
  Top Layer w1: R18.2.2 R19.2.2
NetR19.2_1: R19.2.1 R20.2.1 | length 2.5
  Top Layer w1: R20.2.1 R19.2.1
NetR20.2_2: R20.2.2 R21.2.2 | length 2.3
  Top Layer w1: R21.2.2 R20.2.2
NetR21.1_1: R21.1.1 R24.1.2 U6.1.3 | length 5.2
  Top Layer w0.5: R24.1.2 R21.1.1 141.235,51.8 U6.1.3
NetR21.2_1: R21.2.1 R22.2.1 | length 2.5
  Top Layer w1: R22.2.1 R21.2.1
NetR22.2_2: R22.2.2 R23.2.2 | length 2.3
  Top Layer w1: R22.2.2 R23.2.2
NetR23.1_2: R23.1.2 U5.1.3 | length 2.6
  Top Layer w0.5: R23.1.2 U5.1.3@141.235,60.3
NetR25.2_1: R25.2.1 R28.2.2 U3.2.3 | length 4.9
  Top Layer w0.5: R28.2.2 R25.2.1 29.735,34.3 U3.2.3
NetR27.2_2: R27.2.2 U2.2.3 | length 2.7
  Top Layer w0.5: R27.2.2 29.765,42.4 U2.2.3
NetR31.2_1: R31.2.1 R42.2.1 | length 3.1
  Top Layer w0.5: R31.2.1 66.5,104.4 R42.2.1
NetR31.2_2: R31.2.2 R32.2.2 | length 2.5
  Top Layer w1: R31.2.2 R32.2.2
NetR32.2_1: R32.2.1 R33.2.1 | length 2.5
  Top Layer w1: R32.2.1 R33.2.1
NetR33.2_2: R33.2.2 R34.2.2 | length 2.5
  Top Layer w1: R33.2.2 R34.2.2
NetR34.2_1: R34.2.1 R35.2.1 | length 2.5
  Top Layer w1: R34.2.1 R35.2.1
NetR35.2_2: R35.2.2 R36.2.2 | length 2.3
  Top Layer w1: R36.2.2@76.5,99.6 R35.2.2
NetR36.2_1: R36.2.1 R37.2.1 | length 2.5
  Top Layer w1: R37.2.1@73.9,97.3 R36.2.1@76.4,97.3
NetR37.2_2: R37.2.2 R38.2.2 | length 2.5
  Top Layer w1: R38.2.2 R37.2.2
NetR38.2_1: R38.2.1 R39.2.1 | length 2.5
  Top Layer w1: R39.2.1@68.9,97.3 R38.2.1@71.4,97.3
NetR39.2_2: R39.2.2 R40.2.2 | length 2.5
  Top Layer w1: R40.2.2 R39.2.2
NetR40.2_1: "LEM LV25P Vb.1" R40.2.1 | length 17.3
  Top Layer w1: R40.2.1 66.5,90.7 69.1,88.1 69.1,81.263 68.997,81.16
NetR42.2_2: R42.2.2 R43.2.2 | length 2.3
  Top Layer w1: R42.2.2 R43.2.2
NetR43.2_1: R43.2.1 R44.2.1 | length 2.5
  Top Layer w1: R44.2.1 R43.2.1
NetR44.2_2: R44.2.2 R45.2.2 | length 2.3
  Top Layer w1: R45.2.2 R44.2.2
NetR45.2_1: R45.2.1 R46.2.1 | length 2.5
  Top Layer w1: R46.2.1 R45.2.1
NetR46.2_2: R46.2.2 R47.2.2 | length 2.3
  Top Layer w1: R46.2.2 R47.2.2
NetR47.2_1: R47.2.1 R48.2.1 | length 2.5
  Top Layer w1: R48.2.1 R47.2.1
NetR48.2_2: R48.2.2 R49.2.2 | length 2.3
  Top Layer w1: R49.2.2 R48.2.2
NetR49.2_1: R49.2.1 R50.2.1 | length 2.5
  Top Layer w1: R50.2.1 R49.2.1
NetR50.2_2: R50.2.2 R51.2.2 | length 2.3
  Top Layer w1: R50.2.2 R51.2.2
NetR53.2_1: R53.2.1 R56.2.2 U6.2.3 | length 4.9
  Top Layer w0.5: R56.2.2 R53.2.1 58.735,34.3 U6.2.3
NetR55.2_2: R55.2.2 U5.2.3 | length 2.7
  Top Layer w0.5: R55.2.2 U5.2.3@58.765,42.4
NetR59.2_1: R59.2.1 R70.2.1 | length 2.8
  Top Layer w0.5: R59.2.1@104,104.4 R70.2.1@106,106.4
NetR59.2_2: R59.2.2 R60.2.2 | length 2.5
  Top Layer w1: R59.2.2 R60.2.2
NetR60.2_1: R60.2.1 R61.2.1 | length 2.5
  Top Layer w1: R60.2.1 R61.2.1
NetR61.2_2: R61.2.2 R62.2.2 | length 2.5
  Top Layer w1: R61.2.2 R62.2.2
NetR62.2_1: R62.2.1 R63.2.1 | length 2.5
  Top Layer w1: R62.2.1 R63.2.1
NetR63.2_2: R63.2.2 R64.2.2 | length 2.3
  Top Layer w1: R64.2.2 R63.2.2
NetR64.2_1: R64.2.1 R65.2.1 | length 2.5
  Top Layer w1: R65.2.1 R64.2.1
NetR65.2_2: R65.2.2 R66.2.2 | length 2.5
  Top Layer w1: R66.2.2 R65.2.2
NetR66.2_1: R66.2.1 R67.2.1 | length 2.5
  Top Layer w1: R67.2.1 R66.2.1
NetR67.2_2: R67.2.2 R68.2.2 | length 2.5
  Top Layer w1: R68.2.2 R67.2.2
NetR68.2_1: "LEM LV25P Vc.1" R68.2.1 | length 19.8
  Top Layer w1: 97.247,81.16 96.9,81.507 96.9,87.9 104,95 R68.2.1
NetR70.2_2: R70.2.2 R71.2.2 | length 2.3
  Top Layer w1: R70.2.2 R71.2.2
NetR71.2_1: R71.2.1 R72.2.1 | length 2.5
  Top Layer w1: R72.2.1 R71.2.1
NetR72.2_2: R72.2.2 R73.2.2 | length 2.3
  Top Layer w1: R73.2.2 R72.2.2
NetR73.2_1: R73.2.1 R74.2.1 | length 2.5
  Top Layer w1: R74.2.1 R73.2.1
NetR74.2_2: R74.2.2 R75.2.2 | length 2.3
  Top Layer w1: R74.2.2 R75.2.2
NetR75.2_1: R75.2.1 R76.2.1 | length 2.5
  Top Layer w1: R76.2.1 R75.2.1
NetR76.2_2: R76.2.2 R77.2.2 | length 2.3
  Top Layer w1: R77.2.2 R76.2.2
NetR77.2_1: R77.2.1 R78.2.1 | length 2.5
  Top Layer w1: R78.2.1 R77.2.1
NetR78.2_2: R78.2.2 R79.2.2 | length 2.3
  Top Layer w1: R78.2.2 R79.2.2
NetR81.2_1: R81.2.1 R84.2.2 U9.2.3 | length 4.9
  Top Layer w0.5: R84.2.2 R81.2.1 87.235,34.3 U9.2.3
NetR83.2_2: R83.2.2 U8.2.3 | length 2.7
  Top Layer w0.5: R83.2.2 U8.2.3@87.265,42.4
"PHASE A": "Phase A.1"@22.25,118 "Phase A.1"@22.25,131 "Phase A.1"@28.5,118 "Phase A.1"@28.5,131 "Phase A.1"@34.75,118 "Phase A.1"@34.75,131 R23.2.1 | length 6.6
  Top Layer w1: R23.2.1 20,118 22.25,118
"PHASE B": "Phase B.1"@60.25,118 "Phase B.1"@60.25,131 "Phase B.1"@66.5,118 "Phase B.1"@66.5,131 "Phase B.1"@72.75,118 "Phase B.1"@72.75,131 R51.2.1 | length 5.6
  Top Layer w1: R51.2.1 58.5,116.25 60.25,118
"PHASE C": "Phase C.1"@98.25,118 "Phase C.1"@98.25,131 "Phase C.1"@104.5,118 "Phase C.1"@104.5,131 "Phase C.1"@110.75,118 "Phase C.1"@110.75,131 R79.2.1 | length 5.6
  Top Layer w1: R79.2.1 96.5,116.75 98.25,118.5
pads on no net: "Op iso.1" "Op iso.5" "Op iso.8" "Phase A.1"@3,101.75 "Phase A.1"@3,108 "Phase A.1"@3,114.25 "Phase A.1"@16,101.75 "Phase A.1"@16,108 "Phase A.1"@16,114.25 "Phase A.1"@165.43,80.99 "Phase A.1"@165.43,87.24 "Phase A.1"@165.43,93.49 "Phase A.1"@178.43,80.99 "Phase A.1"@178.43,87.24 "Phase A.1"@178.43,93.49 "Phase B.1"@3,78.75 "Phase B.1"@3,85 "Phase B.1"@3,91.25 "Phase B.1"@16,78.75 "Phase B.1"@16,85 "Phase B.1"@16,91.25 "Phase B.1"@165.43,60.99 "Phase B.1"@165.43,67.24 "Phase B.1"@165.43,73.49 "Phase B.1"@178.43,60.99 "Phase B.1"@178.43,67.24 "Phase B.1"@178.43,73.49 "Phase C.1"@3,56.25 "Phase C.1"@3,62.5 "Phase C.1"@3,68.75 "Phase C.1"@16,56.25 "Phase C.1"@16,62.5 "Phase C.1"@16,68.75 "Phase C.1"@165.68,41.24 "Phase C.1"@165.68,47.49 "Phase C.1"@165.68,53.74 "Phase C.1"@178.68,41.24 "Phase C.1"@178.68,47.49 "Phase C.1"@178.68,53.74 Lm7815(+15V).4 Lm7915(-15V).4 LO1.1.1 LO1.4.1 LO2.1.1 LO3.1.1 LO3.4.1 LO4.1.1 LO4.4.1 LO5.1.1 LO6.1.1 LO6.4.1 U1.1.1 U1.1.5 U1.1.8 U2.1.1 U2.1.5 U2.1.8 U2.2.1 U2.2.5 U2.2.8 U3.1.1 U3.1.5 U3.1.8 U3.2.1 U3.2.5 U3.2.8 U4.1.1 U4.1.5 U4.1.8 U5.1.1 U5.1.5 U5.1.8 U5.2.1 U5.2.5 U5.2.8 U6.1.1 U6.1.5 U6.1.8 U6.2.1 U6.2.5 U6.2.8 U8.2.1 U8.2.5 U8.2.8 U9.2.1 U9.2.5 U9.2.8

## Keep-outs
Keep-Out Layer:
  lines w0.254: 0.1,6.796 0.1,127.904 cw(c6.896,127.904) 6.896,134.7 178.8,134.7 ; 0.104,6.796 ccw(c6.9,6.796) 6.9,0 178.804,0 ; 178.8,134.696 cw(c178.8,127.9) 185.596,127.9 ; 178.804,0.004 ccw(c178.804,6.8) 185.6,6.8 185.6,127.9

## Other copper
Top Layer:
  region net NetC5.4_2: 138.6,22.3 135.9,25 135.9,39.2 139,39.2 143.4,39.2 143.4,29.1 144.45,28.05 144.45,22.3
  region net GND: 53.4,35.8 54.4,35.8 54.6,36 54.6,43.2 54.5,43.3 53.2,43.3 48.4,43.3 48.4,38.5 48.4,29.4 51.8,26 55.5,26 55.5,29.8 54.7,30.6 53.1,30.6 52.65,30.6 52.65,35.05 52.65,35.8
  region net GND: 24.4,35.8 25.4,35.8 25.6,36 25.6,43.2 25.6,43.5 25.6,44.7 25.6,45 25.5,45 22.5,45 14.2,45 6,45 6,44 6,26 26.5,26 26.5,30.2 26.1,30.6 24.1,30.6 23.6,30.6 23.6,35 23.6,35.8
  region net GND: 115.6,23.135 115.6,45.4 130.441,60.241 134.2,56.67 134.2,48.9 132.8,47.5 122.9,47.5 121.3,45.9 121.3,24.423
  region net N: 139.05,115.4 138.05,116.4 138.05,132.4 139.05,133.4 155.05,133.4 156.05,132.4 156.05,116.4 155.05,115.4
  region net +15V: 96.5,6.1 99,6.1 99,8.5 93,14.5 93,20.95 81.25,20.95 81.25,22 81.25,24 81,24.25 74.75,24.25 74,23.5 74,18.25 74,7.5 91.8,7.5 91.8,6.1
  region net GND: 138.2,13.4 135.6,16 130.9,20.2 128.1,23 126.3,24.8 119.2,24.8 118.1,23.7 108.2,23.7 108.2,9.2 122.3,9.2 132.2,9.2 138.2,9.2
  region net -15V: 131.2,24.1 130.9,23.8 130.9,21.4 135.9,16.7 139,13.6 139,6.6 139,6.1 139.8,6.1 140.7,6.1 141.8,6.1 142.7,6.1 143,6.1 143,8.5 141.1,10.4 141.1,18.9 140.35,19.65 139.8,20.2 139.3,20.7 135.9,24.1
  region net NetC1.4_1: 108.5,40.4 106.4,38.3 106.4,31.6 104.4,31.6 101.5,28.7 101.5,23.9 107.3,23.9 114.9,31.5 114.9,39.3 113.8,40.4
  region net GND: 87.7,26 85.7,26 85.7,24 85.7,22 85.8,21.9 94.1,21.9 94.1,15.5 99.5,10.1 99.5,6.1 100.1,6.1 100.6,6.1 101.1,6.1 101.5,6.1 101.5,10.4 100.5,11.4 100.5,23 97.5,26
  region net NetC5.4_2: 145.5,6.1 145.5,9.6 144.45,10.65 144.45,23.75 144.2,24 138.9,24 138.6,23.7 138.6,22.3 139.25,21.65 140.4,20.5 141.6,19.3 141.6,10.7 143.5,9.5 143.5,6.1
  region net GND: 114.5,81.5 114.7,81.7 128.1,81.7 128.1,85.7 128.1,92.7 135.1,92.7 136.9,92.7 137.1,92.5 137.1,85.1 137,85 135.5,85 135.2,84.7 135.2,77.6 135.7,77.1 137.1,77.1 137.2,77 137.2,69.8 137,69.6 135.1,69.6 134.6,69.1 134.6,61.7 135.1,61.2 137,61.2 137.2,61 137.2,53.7 137,53.5 133.5,53.5 130,57 130.1,57.1 130.1,72.9 128.6,74.4 115.5,74.4 114.5,75.4 114.5,75.8
  region net "PHASE C": 96.5,115.5 95.5,116.5 95.5,132.5 96.5,133.5 112.5,133.5 113.5,132.5 113.5,116.5 112.5,115.5
  region net "PHASE B": 58.5,115.5 57.5,116.5 57.5,132.5 58.5,133.5 74.5,133.5 75.5,132.5 75.5,116.5 74.5,115.5
  region net "PHASE A": 20.5,115.5 19.5,116.5 19.5,132.5 20.5,133.5 36.5,133.5 37.5,132.5 37.5,116.5 36.5,115.5
  region net GND: 81.9,35.8 82.9,35.8 83.1,36 83.1,43.2 83,43.3 81.7,43.3 76.9,43.3 76.9,38.5 76.9,29.4 80.3,26 84,26 84,29.8 83.2,30.6 81.6,30.6 81.15,30.6 81.15,35.05 81.15,35.8
  region net NetC1.4_1: 106.9,24.4 107.3,24 107.3,12.3 107.3,6.1 103.4,6.1 102.6,6.1 102,6.1 102,11.2 101.5,11.7 101.5,23.9 102,24.4
  region net GND: 146,5.5 138.2,5.5 138.2,9.15 138.2,9.2 138.15,9.2 135.525,9.2 135.525,6.8 135.525,4.45 135.525,1.6 135.525,1.4 135.6,1.4 146,1.4
  region net GND: 108.2,9.2 108.2,5.15 101.5,5.15 101.5,6.1 99.5,6.1 99.5,1.4 109.5,1.4 109.5,9.2
  region net GND: 67.124,27.024 65.7,27.024 65.7,25.6 65.7,9 73.3,9 73.3,26.944
  region net GND: 162.5,25 145.5,25 145.5,11.75 146,11.25 146,1.4 153.35,1.4 153.5,1.55 153.5,7.5 162.5,7.5

## Silkscreen, mask and mechanical layers (free items; w line width, h text height)
Top Overlay:
  drawing of 185 lines, arcs and shapes, not listed
  text "C1 R1 / R2 / C2 R3" at 155,102.5 h1.52
  text "R1 / R2 R3 / R4 / R5" at 143,102 h1.52
  text "2k ohm smd 0805" at 21,90 h1.52
  text "2k ohm smd 0805" at 97.5,90 h1.52
  text "2k ohm smd 0805" at 60,89.65 h1.52
  text "Va" at 11.5,42 h1.52
  text "Vb" at 11.5,39.5 h1.52
  text "Vc" at 11.5,37 h1.52
  text "C1 R1 / R2 / C2 R3" at 15.5,36 h1.52
  text "Ia" at 11.5,34.5 h1.52
  text "+15V" at 167.25,32.5 h1.52
  text "Ib" at 11.5,32 h1.52
  text "Ic" at 11.5,29.5 h1.52
  text "-15V" at 167.5,27.75 h1.52
  text "Vos" at 11,26.5 h1.52
  text "GND" at 8,23 h1.52 r270
  text "R1 / R2 R3 / R4 / R5" at 15.5,23 h1.52
  text "GND" at 167.5,22 h1.52

## Text inside footprints (layer, text, board x,y; h text height)
ADC: Top Overlay "2" at 6.65,46.3 h1.27 r270; Top Overlay "1" at 4.05,45.9 h1.27 r270; Top Overlay "14" at 6.75,27.4 h1.27 r270; Top Overlay "13" at 3.95,27.4 h1.27 r270